# KiCad board altmode-carrier.kicad_pcb
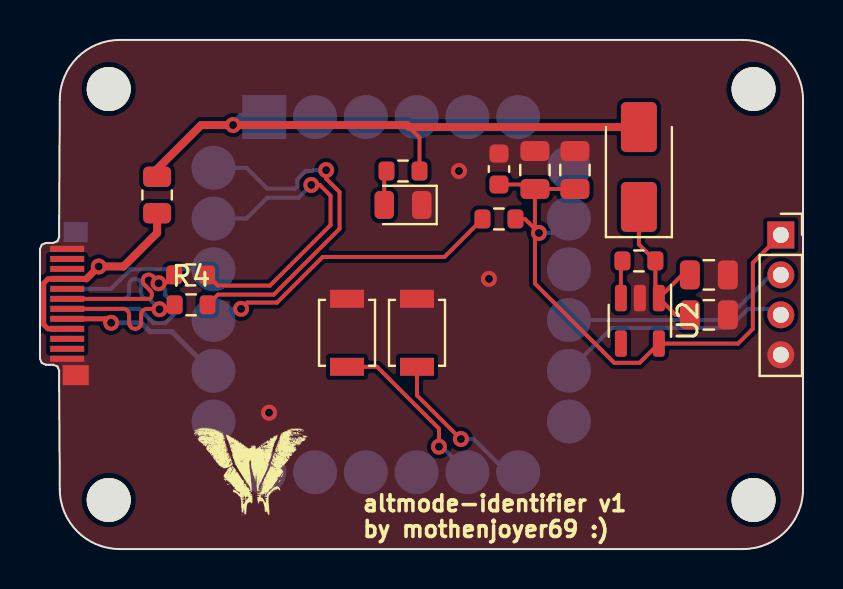
[diagram p0: board, top side]
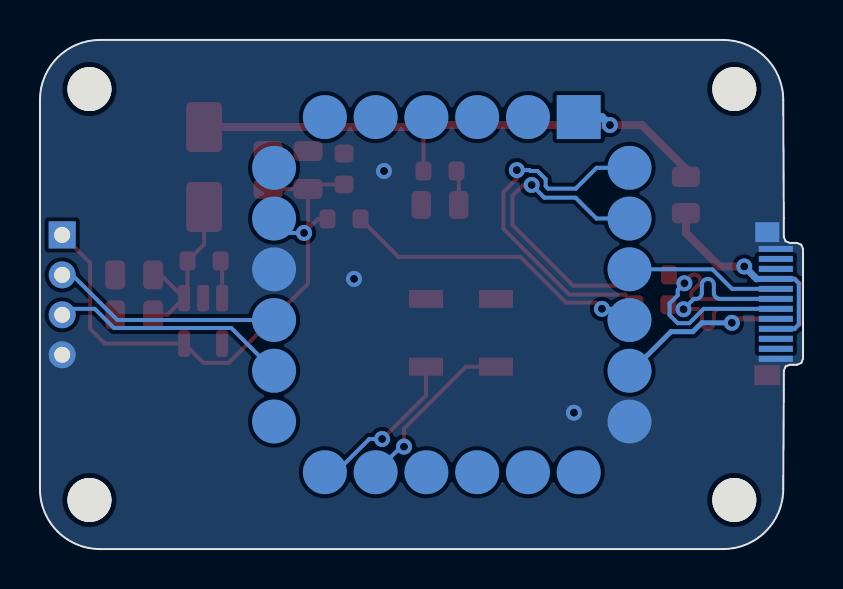
[diagram p1: board, bottom side, seen from below]

Outline 38.17 x 25.49 mm; copper layers: Top, In1.Cu, In2.Cu, Bottom. Coordinates in mm from the lower left corner of the outline.
Outline path: 0,15.03 0.09,15.24 0.3,15.33 0.66,15.33 0.87,15.41 0.96,15.63 0.96,16.58 0.99,22.49 arc(1.87,24.61) 3.99,25.49 35.17,25.49 arc(37.29,24.61) 38.17,22.49 38.17,3 arc(37.29,0.88) 35.17,0 3.99,0 arc(1.87,0.88) 0.99,3 0.96,7.98 0.96,8.93 0.87,9.14 0.66,9.23 0.3,9.23 0.09,9.31 0,9.53 0,15.03
Stack: Top 0.035mm / dielectric 0.1mm FR4 er 4.5 / In1.Cu 0.035mm / dielectric 1.24mm FR4 er 4.5 / In2.Cu 0.035mm / dielectric 0.1mm FR4 er 4.5 / Bottom 0.035mm

## Placement (name value [footprint] x y rotation side)
C1  1uF  [C_0805_2012Metric]  33.46 13.73 0 top
C2  100nF  [C_0805_2012Metric]  33.46 11.73 0 top
C3  1uF  [C_0805_2012Metric]  24.76 18.98 90 top
C4  100nF  [C_0603_1608Metric]  22.96 19.03 90 top
C5  1uF  [C_0805_2012Metric]  26.76 18.98 90 top
D1  no-eatey-diode  [D_SMA]  29.96 19.13 90 top
D2  LED  [LED_0805_2012Metric]  18.16 17.23 180 top
H1  MountingHole  [MountingHole_2.2mm_M2]  3.44 23.03 0 top
H2  MountingHole  [MountingHole_2.2mm_M2]  35.7 23.03 0 top
H3  MountingHole  [MountingHole_2.2mm_M2]  35.7 2.46 0 top
H4  MountingHole  [MountingHole_2.2mm_M2]  3.44 2.46 0 top
J2  OLED_CONNECTOR  [PinSocket_1x04_P2.00mm_Vertical]  37.06 15.73 0 top
J3  USB_C_Plug  [USB_C_Plug_Molex_105444]  0.96 12.28 90 top
M1  AltmodeFriend  [altmode_friend]  17.57 12.74 270 bottom
R1  0R/F  [R_0805_2012Metric]  5.86 17.73 90 top
R2  0R  [R_0603_1608Metric]  22.96 16.53 180 top
R3  0R  [R_0603_1608Metric]  7.53 13.73 0 top
R4  0R  [R_0603_1608Metric]  7.56 12.23 0 top
R6  0R  [R_0603_1608Metric]  29.96 14.43 0 top
R7  1k  [R_0603_1608Metric]  18.16 18.93 180 top
SW1  BTN_1  [SW_SPST_B3U-1000P]  15.36 10.83 90 top
SW2  BTN_2  [SW_SPST_B3U-1000P]  18.86 10.83 90 top
U2  AP2112K-3.3  [SOT-23-5]  30.01 11.43 270 top

## Library data of the parts
C1-C5 = -: Description: Unpolarized capacitor, small symbol
D1 = -: Description: Diode, small symbol
D2 = -: Description: Light emitting diode
H1-H4 = -: Description: Mounting Hole without connection
J2 = -: Description: Generic connector, single row, 01x04, script generated
J3 = -: Description: USB Full-Featured Type-C Receptacle connector
R1-R4 R6 = -: Description: Resistor, small symbol
R7 = -: Description: Resistor
SW1 SW2 = -: Description: Push button switch, generic, two pins
U2 = -: Description: 600mA low dropout linear regulator, with enable pin, 3.8V-6V input voltage range, 3.3V fixed positive output, SOT-23-5

## Footprints (pads in the part's own frame, mm; a bottom-side part is the same pattern mirrored in y, then rotated)
altmode_friend
  rect 2.2x2.2 smd: 1(-8.89,6.35)
  round 2.2 smd: 2(-8.89,3.81) 3(-8.89,1.27) 4(-8.89,-1.27) 5(-8.89,-3.81) 6(-8.89,-6.35) 7(-6.35,-8.89) 8(-3.81,-8.89) 9(-1.27,-8.89) 10(1.27,-8.89) 11(3.81,-8.89) 12(6.35,-8.89) 13(8.89,-6.35) 14(8.89,-3.81) 15(8.89,-1.27) 16(8.89,1.27) 17(8.89,3.81) 18(8.89,6.35) 19(6.35,8.89) 20(3.81,8.89) 21(1.27,8.89) 22(-1.27,8.89) 23(-3.81,8.89) 24(-6.35,8.89)
C_0603_1608Metric
  rrect 0.9x0.95 smd: 1(-0.775,0) 2(0.775,0)
C_0805_2012Metric
  rrect 1x1.45 smd: 1(-0.95,0) 2(0.95,0)
D_SMA
  rrect 2.5x1.8 smd: 1(-2,0) 2(2,0)
LED_0805_2012Metric
  rrect 0.975x1.4 smd: 1(-0.938,0) 2(0.938,0)
MountingHole_2.2mm_M2
  round 2.2 hole 2.2 unplated: (0,0)
PinSocket_1x04_P2.00mm_Vertical
  rect 1.35x1.35 hole 0.8: 1(0,0)
  oval 1.35x1.35 hole 0.8: 2(0,-2) 3(0,-4) 4(0,-6)
R_0603_1608Metric
  rrect 0.8x0.95 smd: 1(-0.825,0) 2(0.825,0)
R_0805_2012Metric
  rrect 1.025x1.4 smd: 1(-0.912,0) 2(0.912,0)
SOT-23-5
  rrect 1.325x0.6 smd: 1(-1.137,0.95) 2(-1.137,0) 3(-1.137,-0.95) 4(1.137,-0.95) 5(1.137,0.95)
SW_SPST_B3U-1000P
  rect 0.9x1.7 smd: 1(-1.7,0) 2(1.7,0)
USB_C_Plug_Molex_105444
  rect 0.3x1.7 smd: A1(-2.75,-0.4) A2(-2.25,-0.4) A3(-1.75,-0.4) A4(-1.25,-0.4) A5(-0.75,-0.4) A6(-0.25,-0.4) A7(0.25,-0.4) A8(0.75,-0.4) A9(1.25,-0.4) A10(1.75,-0.4) A11(2.25,-0.4) A12(2.75,-0.4)
  rect 0.3x1.7 smd far side: B1(2.75,-0.4) B2(2.25,-0.4) B3(1.75,-0.4) B4(1.25,-0.4) B5(0.75,-0.4) B6(0.25,-0.4) B7(-0.25,-0.4) B8(-0.75,-0.4) B9(-1.25,-0.4) B10(-1.75,-0.4) B11(-2.25,-0.4) B12(-2.75,-0.4)
  rect 1x1.3 smd: S1(-3.57,-0.83)
  rect 1x1.2 smd far side: S1(3.59,-0.83)

## Nets
+3V3: C3.1 C4.1 C5.1 J2.1 M1.8 R2.1 U2.5
GND: C1.2 C2.2 C3.2 C4.2 C5.2 D2.1 J2.4 J3.A1 J3.A12 J3.B1 J3.B12 J3.S1 M1.9 M1.19 SW1.2 SW2.2 U2.2
VBUS: D1.2 M1.1 R1.2 R7.1
/SM_D+: J3.A6 J3.B6 R4.1
/SM_D-: J3.A7 J3.B7 R3.1
AP2112K_VIN: C1.1 C2.1 D1.1 R6.2 U2.1
BTN_1: M1.14 SW1.1
BTN_2: M1.13 SW2.1
CC1: J3.A5 M1.20
CC2: J3.B5 M1.22
OLED_SCL: J2.3 M1.11
OLED_SDA: J2.2 M1.10
RP_D+: M1.24 R4.2
RP_D-: M1.23 R3.2
SBU1: J3.A8
SBU2: J3.B8
Net-(D2-A): D2.2 R7.2
Net-(J3-VBUS-PadA4): J3.A4 J3.A9 J3.B4 J3.B9 R1.1
Net-(M1-VCONN): M1.21 R2.2
Net-(U2-EN): R6.1 U2.3

Pads without a net: J3 A2 A3 A10 A11 B2 B3 B10 B11; M1 2 3 4 5 6 7 12 15 16 17 18; U2 4

## Via types
v1: diameter 0.8, hole 0.4, Top to Bottom, 14 vias

## Routing (per net, layer and track width the routed paths; a pad name or vN(x,y) marks a point on that pad's centre or on a via; arc(x,y) is an arc through that point)
+3V3: length 30.6
  Top w0.2: J2.1 35.66,14.33 35.66,11.03 34.92,10.29 U2.5 30,9.33 28.72,9.33 24.76,13.29 24.76,15.63 v1(24.96,15.83) ; v1(24.96,15.83) 24.26,16.53 23.78,16.53 ; v1(24.96,15.83) 24.76,16.03 C3.1 ; C4.1 24.53,18.25 C3.1 ; C3.1 C5.1
  Bottom w0.2: M1.8 25.74,15.83 v1(24.96,15.83)
GND:
  vias: v1(11.46,6.83) v1(20.96,18.93) v1(22.46,13.53)
VBUS: length 29.7
  Top w0.2: 18.46,21.13 18.98,20.6 R7.1
  Top w0.4: v1(9.66,21.23) 8.06,21.23 5.86,19.03 R1.2 ; v1(9.66,21.23) 18.36,21.23 18.46,21.13 D1.2 ; v1(9.66,21.23) 9.71,21.28
  Bottom w0.4: M1.1 10.06,21.63 v1(9.66,21.23)
/SM_D+: length 13.3
  Top w0.2: J3.A6 4.16,12.03 arc(4.37,11.94) 4.46,11.73 4.46,11.33 arc(4.55,11.11) 4.76,11.03 arc(4.97,11.11) 5.06,11.33 5.06,11.73 arc(5.15,11.94) 5.36,12.03 6.53,12.03 R4.1
  Bottom w0.2: J3.B6 4.16,12.53 arc(4.37,12.61) 4.46,12.83 4.46,13.23 arc(4.55,13.44) 4.76,13.53 arc(4.97,13.44) 5.06,13.23 5.06,12.83 arc(5.15,12.61) 5.36,12.53 5.46,12.53 v1(5.98,12.01)
/SM_D-: length 15
  Top w0.2: J3.A7 5.51,12.53 arc(5.6,12.74) 5.51,12.95 5.23,13.23 arc(5.14,13.45) 5.23,13.66 arc(5.44,13.75) 5.65,13.66 5.93,13.37 arc(6.15,13.29) 6.36,13.37 R3.1
  Bottom w0.2: v1(5.93,13.31) 6.27,12.97 6.27,12.71 6.68,12.3 6.68,11.72 6.27,11.31 5.69,11.31 4.97,12.03 J3.B7
AP2112K_VIN: length 8.9
  Top w0.2: U2.1 30.78,12.74 R6.2 29.96,15.25 D1.1 ; U2.1 31.8,11.73 C2.1 ; U2.1 32.12,13.73 C1.1
BTN_1: length 8.7
  Top w0.2: v1(19.96,5.13) 19.96,6.03 16.86,9.13 SW1.1
  Bottom w0.2: v1(19.96,5.13) 20.1,5.13 M1.14
BTN_2: length 8.1
  Top w0.2: SW2.1 18.86,7.69 21.04,5.51 v1(21.06,5.51)
  Bottom w0.2: M1.13 23.36,3.85 21.69,5.51 v1(21.06,5.51)
CC1: length 8.4
  Top w0.25: J3.A5 3.26,11.53 3.46,11.33 v1(3.56,11.33)
  Bottom w0.25: M1.20 8.56,8.93 6.6,10.88 5.51,10.88 5.07,11.33 v1(3.56,11.33)
CC2: length 7.7
  Bottom w0.2: M1.22 4.53,14.01 3.55,13.03 J3.B5
OLED_SCL: length 12.2
  Bottom w0.2: J2.3 36.76,12.03 35.43,12.03 34.47,11.07 28.6,11.07 M1.11 26.46,9.09
OLED_SDA: length 11.7
  Bottom w0.2: 26.32,11.33 M1.10 34.3,11.47 36.56,13.73 J2.2
RP_D+: length 18.1
  Top w0.2: v1(14.32,18.97) 14.32,18.55 14.98,17.88 14.98,16.03 11.69,12.74 8.9,12.74 R4.2
  Bottom w0.2: M1.24 10.33,19.09 11.38,18.04 12.75,18.04 12.87,18.16 12.87,18.52 13.28,18.93 13.64,18.93 13.68,18.97 v1(14.32,18.97)
RP_D-: length 15.9
  Top w0.2: v1(13.57,18.23) 14,18.23 14.53,17.69 14.53,16.22 11.5,13.19 8.9,13.19 R3.2
  Bottom w0.2: v1(13.57,18.23) 12.94,17.59 11.38,17.59 10.33,16.55 M1.23
Net-(D2-A): length 1.7
  Top w0.2: 17.34,18.93 17.22,18.81 D2.2
Net-(J3-VBUS-PadA4): length 17.4
  Top w0.25: J3.A4 0.4,11.03 0.19,11.24 0.19,13.31 0.4,13.53 J3.A9 2.32,13.53
  Top w0.35: v1(2.94,14.15) 2.32,13.53
  Top w0.4: R1.1 5.86,15.83 4.18,14.15 v1(2.94,14.15)
  Bottom w0.2: J3.A9 0.44,13.53 0.21,13.3 0.21,11.25 0.44,11.03 J3.A4
  Bottom w0.25: J3.A9 2.32,13.53
  Bottom w0.35: 2.32,13.53 v1(2.94,14.15)
Net-(M1-VCONN): length 15.6
  Top w0.2: R2.2 20.23,14.63 14.14,14.63 11.86,12.34 10.37,12.34 v1(10.06,12.03)
  Bottom w0.2: v1(10.06,12.03) 9.24,12.03 M1.21
Net-(U2-EN): length 1.9
  Top w0.2: 29.13,14.43 29.06,14.35 U2.3

## Copper pours and planes (outline as drawn; the poured copper is in the pictures)
GND on Top, Bottom: -2.84,27.43 38.86,27.33 39.06,-1.27 -3.64,-1.37

## Text on the board
F.Silkscreen: altmode-identifier v1 / by mothenjoyer69 :)
